# Altium PCB UltraZOhm_CarrierBoard.PcbDoc (part 2 of 12)
Units mm, origin at the board's own origin, x right, y up, seen from the top; angles counter-clockwise.
Board outline 350 x 128 mm, 6 copper layers (Top Layer, L02_GND, L03_Sig, L04_Sig, L05_VCC, Bottom Layer), stack 2.021 mm thick; 851 components, 1243 nets, 4332 pads, 2446 vias.
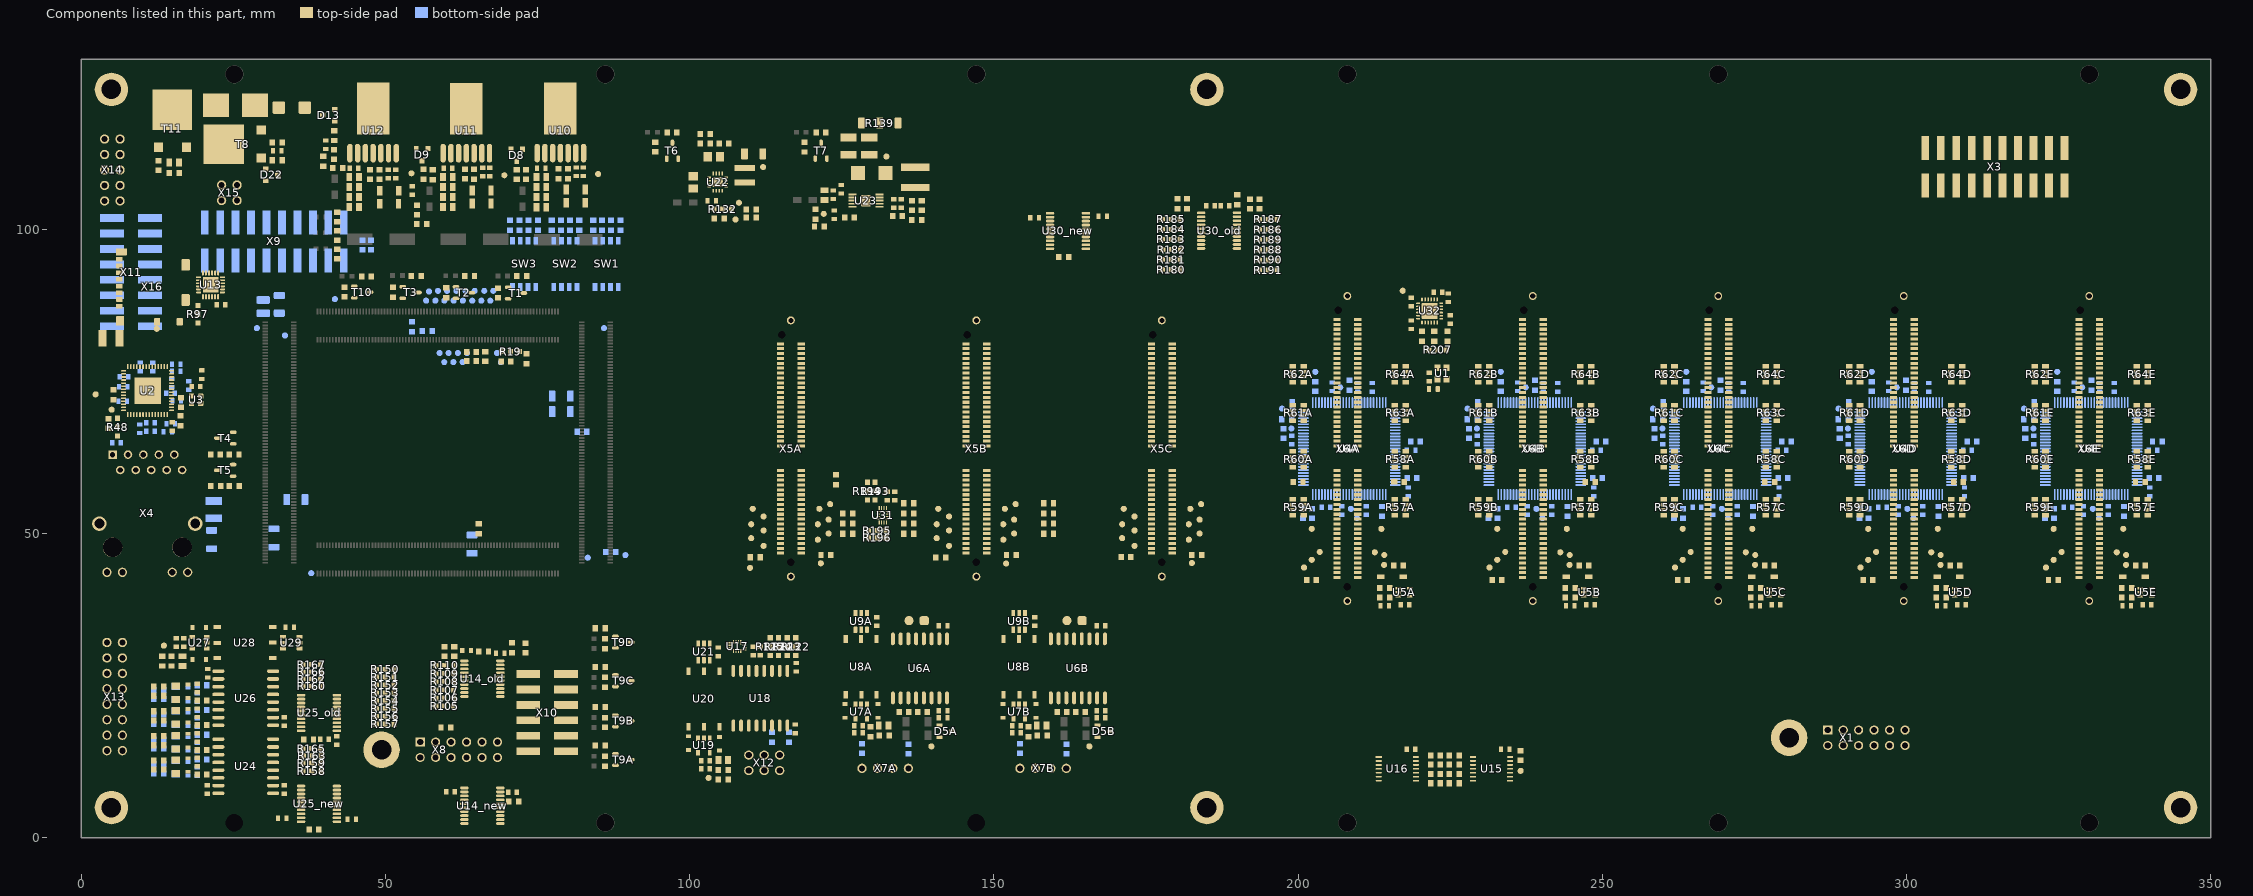
[diagram p6: the components of this part, seen from the top]

## Components (designator, comment, footprint, x,y, rotation, side; value= is the part's Value field where it differs from the comment) (continued)
R69A "51" R_0603_N#1 202.819,74.202 r270 bottom (schematic designator R69)
R69B "51" R_0603_N#1 233.299,74.202 r270 bottom (schematic designator R69)
R69C "51" R_0603_N#1 263.779,74.202 r270 bottom (schematic designator R69)
R69D "51" R_0603_N#1 294.259,74.202 r270 bottom (schematic designator R69)
R69E "51" R_0603_N#1 324.739,74.202 r270 bottom (schematic designator R69)
R70A "51" R_0603_N#1 219.275,65.158 r180 bottom (schematic designator R70)
R70B "51" R_0603_N#1 249.755,65.158 r180 bottom (schematic designator R70)
R70C "51" R_0603_N#1 280.235,65.158 r180 bottom (schematic designator R70)
R70D "51" R_0603_N#1 310.715,65.158 r180 bottom (schematic designator R70)
R70E "51" R_0603_N#1 341.195,65.158 r180 bottom (schematic designator R70)
R71A "33" R_0603_N#1 208.453,74.402 r270 bottom (schematic designator R71)
R71B "33" R_0603_N#1 238.933,74.402 r270 bottom (schematic designator R71)
R71C "33" R_0603_N#1 269.413,74.402 r270 bottom (schematic designator R71)
R71D "33" R_0603_N#1 299.893,74.402 r270 bottom (schematic designator R71)
R71E "33" R_0603_N#1 330.373,74.402 r270 bottom (schematic designator R71)
R72A "51" R_0603_N#1 218.729,59.162 r180 bottom (schematic designator R72)
R72B "51" R_0603_N#1 249.209,59.162 r180 bottom (schematic designator R72)
R72C "51" R_0603_N#1 279.689,59.162 r180 bottom (schematic designator R72)
R72D "51" R_0603_N#1 310.169,59.162 r180 bottom (schematic designator R72)
R72E "51" R_0603_N#1 340.649,59.162 r180 bottom (schematic designator R72)
R73A "51" R_0603_N#1 213.791,53.67 r90 bottom (schematic designator R73)
R73B "51" R_0603_N#1 244.271,53.67 r90 bottom (schematic designator R73)
R73C "51" R_0603_N#1 274.751,53.67 r90 bottom (schematic designator R73)
R73D "51" R_0603_N#1 305.231,53.67 r90 bottom (schematic designator R73)
R73E "51" R_0603_N#1 335.711,53.67 r90 bottom (schematic designator R73)
R74A "0R" R_0603_N#1 214.23,41.056 r0 top (schematic designator R74)
R74B "0R" R_0603_N#1 244.71,41.056 r0 top (schematic designator R74)
R74C "0R" R_0603_N#1 275.19,41.056 r0 top (schematic designator R74)
R74D "0R" R_0603_N#1 305.67,41.056 r0 top (schematic designator R74)
R74E "0R" R_0603_N#1 336.15,41.056 r0 top (schematic designator R74)
R75A "dnp" R_0603_N#1 214.23,39.532 r180 top value=dnf (schematic designator R75)
R75B "dnp" R_0603_N#1 244.71,39.532 r180 top value=dnf (schematic designator R75)
R75C "dnp" R_0603_N#1 275.19,39.532 r180 top value=dnf (schematic designator R75)
R75D "dnp" R_0603_N#1 305.67,39.532 r180 top value=dnf (schematic designator R75)
R75E "dnp" R_0603_N#1 336.15,39.532 r180 top value=dnf (schematic designator R75)
R76A "62" R_0603_N#1 138.286,20.731 r180 top (schematic designator R76)
R76B "62" R_0603_N#1 164.238,20.731 r180 top (schematic designator R76)
R77A "62" R_0603_N#1 135.238,20.731 r180 top (schematic designator R77)
R77B "62" R_0603_N#1 161.19,20.731 r180 top (schematic designator R77)
R78A "dnp" R_0603_N#1 135.975,14.637 r270 bottom value=0R (schematic designator R78)
R78B "dnp" R_0603_N#1 161.927,14.637 r270 bottom value=0R (schematic designator R78)
R79A "dnp" R_0603_N#1 128.355,14.687 r270 bottom value=0R (schematic designator R79)
R79B "dnp" R_0603_N#1 154.307,14.688 r270 bottom value=0R (schematic designator R79)
R80A "29k4" R_0603_N#1 129.707,17.471 r90 top (schematic designator R80)
R80B "29k4" R_0603_N#1 155.659,17.471 r90 top (schematic designator R80)
R81A "9k31" R_0603_N#1 131.99,16.861 r180 top (schematic designator R81)
R81B "9k31" R_0603_N#1 157.942,16.861 r180 top (schematic designator R81)
R82 "4k7" R_0603_N#1 78.459,109.144 r270 top
R83 "1k5" R_0603_N#1 79.988,109.156 r90 top
R84 "dnp" R_0603_N#1 73.133,109.028 r270 top value=100k
R85 "dnp" R_0603_N#1 71.601,109.043 r270 top value=20k
R86 "4k7" R_0603_N#1 63.081,109.095 r270 top
R87 "1k5" R_0603_N#1 64.585,109.081 r90 top
R88 "47k" R_0603_N#1 57.8,109 r270 top
R89 "dnp" R_0603_N#1 56.249,109.069 r270 top value=20k
R90 "10k" R_0603_N#1 47.485,109.013 r270 top
R91 "100" R_0603_N#1 42.105,95.98 r90 top
R92 "1k" R_0603_N#1 42.099,99.006 r90 top
R93 "1k5" R_0603_N#1 42.099,102.054 r90 top
R94 "1k91" R_0603_N#1 49.047,109.025 r90 top
R95 "47k" R_0603_N#1 41.563,112.325 r90 top
R96 "dnp" R_0603_N#1 41.613,115.413 r270 top value=20k
R97 "10k" 0603_CONFIG 19.204,86.09 r90 top
R98 "dnp" R_0603_N#1 59.949,18.177 r180 top value=0R
R99 "0R" R_0603_N#1 46.238,97.46 r90 bottom
R100 "dnp" R_0603_N#1 61.323,30.648 r270 top value=200K
R101 "dnp" R_0603_N#1 59.751,30.648 r270 top value=200K
R102 "dnp" R_0603_N#1 70.825,31.25 r270 top value=200K
R103 "dnp" R_0603_N#1 73.025,31.2 r270 top value=200K
R104 "dnp" R_0603_N#1 66.156,30.619 r180 top value=200k
R105 "dnp" 0603_CONFIG 59.726,21.684 r180 top value=10k
R106 "dnp" 0603_CONFIG 59.726,23.012 r180 top value=10k
R107 "dnp" 0603_CONFIG 59.725,24.3 r180 top value=10k
R108 "dnp" 0603_CONFIG 59.725,25.7 r180 top value=10k
R109 "dnp" 0603_CONFIG 59.726,27.025 r180 top value=10k
R110 "dnp" 0603_CONFIG 59.726,28.366 r180 top value=10k
R111 "10k" R_0603_N#1 225.639,13.567 r0 top
R112 "10k" R_0603_N#1 225.639,12.043 r0 top
R113 "10k" R_0603_N#1 225.639,10.519 r0 top
R114 "10k" R_0603_N#1 225.639,8.995 r0 top
R115 "10k" R_0603_N#1 222.591,8.995 r180 top
R116 "10k" R_0603_N#1 222.591,10.519 r180 top
R117 "10k" R_0603_N#1 222.591,12.043 r180 top
R118 "10k" R_0603_N#1 236.561,13.567 r270 top
R119 "10k" R_0603_N#1 222.591,13.567 r180 top
R120 "dnp" R_0603_N#1 116.33,16.538 r270 bottom value=0R
R121 "dnp" R_0603_N#1 113.536,16.538 r90 bottom value=0R
R122 "10k" 0603_CONFIG 117.448,31.422 r270 top
R123 "10k" 0603_CONFIG 116.051,31.473 r90 top
R124 "10k" 0603_CONFIG 114.628,31.422 r270 top
R125 "10k" 0603_CONFIG 113.257,31.422 r270 top
R126 "16k" R_0603_N#1 105.535,9.629 r0 top
R127 "9k31" R_0603_N#1 105.535,11.153 r180 top
R128 "0R" RESC3216X65N 35.291,55.61 r180 bottom
R129 "0R" RESC3216X65N 31.679,49.291 r270 bottom
R130 "0R" RESC3216X65N 110.516,112.431 r0 top
R131 "0R" RESC3216X65N 78.907,72.605 r0 bottom
R132 "0R" 0603_CONFIG 105.437,103.337 r180 top
R133 "0R" RESC3216X65N 78.907,70.069 r0 bottom
R134 "100k" R_0603_N#1 104.877,101.813 r180 top
R135 "24k9" R_0603_N#1 105.665,114.107 r0 top
R136 "0R" RESC3216X65N 64.245,48.291 r270 bottom
R137 "20k" R_0603_N#1 102.566,114.107 r0 top
R138 "dnp" R_0603_N#1 102.566,115.656 r180 top value=dnf
R139 "0R" 1206_CONFIG 131.245,117.477 r180 top
R140 "20k" R_0603_N#1 137.339,101.534 r180 top
R141 "2k" R_0603_N#1 138.151,103.922 r270 top
R142 "220" R_0603_N#1 97.105,115.936 r0 top
R143 "20k" R_0603_N#1 134.164,102.194 r0 top
R144 "1k6" R_0603_N#1 136.551,103.922 r90 top
R145 "412k" R_0603_N#1 126.29,101.94 r0 top
R146 "10k" R_0603_N#1 94.362,113.548 r270 top
R147 "220" R_0603_N#1 121.591,115.936 r0 top
R148 "10k" R_0603_N#1 118.873,113.523 r270 top
R149 "200K" R_0603_N#1 38.3,1.4 r0 top
R150 "dnp" 0603_Config 50,27.7 r0 top value=10k
R151 "dnp" 0603_Config 50,26.414 r0 top value=10k
R152 "dnp" 0603_Config 50,25.129 r0 top value=10k
R153 "dnp" 0603_Config 50,23.843 r0 top value=10k
R154 "dnp" 0603_Config 50,22.557 r0 top value=10k
R155 "dnp" 0603_Config 50,21.271 r0 top value=10k
R156 "dnp" 0603_Config 50,19.986 r0 top value=10k
R157 "dnp" 0603_Config 50,18.7 r0 top value=10k
R158 "dnp" 0603_Config 37.875,11 r180 top value=10k
R159 "dnp" 0603_Config 37.875,12.3 r180 top value=10k
R160 "dnp" 0603_Config 37.9,24.933 r180 top value=10k
R161 "16k" R_0603_N#1 13.35,29.062 r270 top
R162 "dnp" 0603_Config 37.9,26.1 r180 top value=10k
R163 "dnp" 0603_Config 38,13.5 r0 top value=10k
R164 "9k31" R_0603_N#1 14.874,29.062 r90 top
R165 "dnp" 0603_Config 37.9,14.7 r0 top value=10k
R166 "dnp" 0603_Config 37.9,27.3 r0 top value=10k
R167 "dnp" 0603_Config 37.9,28.5 r0 top value=10k
R168A "0R" R_0603_N#1 12.76,11.226 r0 top (schematic designator R168)
R168B "0R" R_0603_N#1 12.755,15.24 r0 top (schematic designator R168)
R168C "0R" R_0603_N#1 12.755,12.138 r0 bottom (schematic designator R168)
R168D "0R" R_0603_N#1 12.755,16.202 r0 bottom (schematic designator R168)
R168E "0R" R_0603_N#1 12.755,19.304 r0 top (schematic designator R168)
R168F "0R" R_0603_N#1 12.755,23.368 r0 top (schematic designator R168)
R168G "0R" R_0603_N#1 12.755,20.266 r0 bottom (schematic designator R168)
R168H "0R" R_0603_N#1 12.755,24.33 r0 bottom (schematic designator R168)
R169A "62" R_0603_N#1 19.872,10.464 r0 top (schematic designator R169)
R169B "62" R_0603_N#1 19.867,14.478 r0 top (schematic designator R169)
R169C "62" R_0603_N#1 19.867,12.9 r0 bottom (schematic designator R169)
R169D "62" R_0603_N#1 19.867,16.964 r0 bottom (schematic designator R169)
R169E "62" R_0603_N#1 19.867,18.542 r0 top (schematic designator R169)
R169F "62" R_0603_N#1 19.867,22.606 r0 top (schematic designator R169)
R169G "62" R_0603_N#1 19.867,21.028 r0 bottom (schematic designator R169)
R169H "62" R_0603_N#1 19.867,25.092 r0 bottom (schematic designator R169)
R170A "6" 0805_PTC_FUSE 15.554,11.734 r90 top (schematic designator R170)
R170B "6" 0805_PTC_FUSE 15.549,15.748 r90 top (schematic designator R170)
R170C "6" 0805_PTC_FUSE 15.549,11.63 r270 bottom (schematic designator R170)
R170D "6" 0805_PTC_FUSE 15.549,15.694 r270 bottom (schematic designator R170)
R170E "6" 0805_PTC_FUSE 15.549,19.812 r90 top (schematic designator R170)
R170F "6" 0805_PTC_FUSE 15.549,23.876 r90 top (schematic designator R170)
R170G "6" 0805_PTC_FUSE 15.549,19.758 r270 bottom (schematic designator R170)
R170H "6" 0805_PTC_FUSE 15.549,23.822 r270 bottom (schematic designator R170)
R171A "10k" R_0603_N#1 12.76,12.75 r180 top (schematic designator R171)
R171B "10k" R_0603_N#1 12.755,16.764 r180 top (schematic designator R171)
R171C "10k" R_0603_N#1 12.755,10.614 r180 bottom (schematic designator R171)
R171D "10k" R_0603_N#1 12.755,14.678 r180 bottom (schematic designator R171)
R171E "10k" R_0603_N#1 12.755,20.828 r180 top (schematic designator R171)
R171F "10k" R_0603_N#1 12.755,24.892 r180 top (schematic designator R171)
R171G "10k" R_0603_N#1 12.755,18.742 r180 bottom (schematic designator R171)
R171H "10k" R_0603_N#1 12.755,22.806 r180 bottom (schematic designator R171)
R172 "47k" R_0603_N#1 32.258,114.3 r0 top
R173 "47k" R_0603_N#1 32.236,111.369 r180 top
R174A "51" R_0603_N#1 85.305,15.165 r0 top (schematic designator R174)
R174B "51" R_0603_N#1 85.305,21.515 r0 top (schematic designator R174)
R174C "51" R_0603_N#1 85.305,28.119 r0 top (schematic designator R174)
R174D "51" R_0603_N#1 85.305,34.469 r0 top (schematic designator R174)
R175A "10k" R_0603_N#1 86.067,12.625 r90 top (schematic designator R175)
R175B "10k" R_0603_N#1 86.067,18.975 r90 top (schematic designator R175)
R175C "10k" R_0603_N#1 86.067,25.579 r90 top (schematic designator R175)
R175D "10k" R_0603_N#1 86.067,31.929 r90 top (schematic designator R175)
R176 "dnp" R_0603_N#1 181.723,104.222 r270 top value=4k99
R177 "dnp" R_0603_N#1 180.199,104.222 r270 top value=4k99
R178 "dnp" R_0603_N#1 192.112,104.172 r270 top value=220
R179 "dnp" R_0603_N#1 193.636,104.172 r270 top value=220
R180 "dnp" 0603_CONFIG 179.086,93.396 r180 top value=10k
R181 "10k" 0603_CONFIG 179.086,95.047 r180 top
R182 "dnp" 0603_CONFIG 179.175,96.7 r180 top value=10k
R183 "dnp" 0603_CONFIG 179.086,98.349 r180 top value=10k
R184 "dnp" 0603_CONFIG 179.086,100 r180 top value=10k
R185 "dnp" 0603_CONFIG 179.086,101.651 r180 top value=10k
R186 "dnp" 0603_CONFIG 195.086,99.986 r0 top value=10k
R187 "dnp" 0603_CONFIG 195.086,101.651 r0 top value=10k
R188 "dnp" 0603_CONFIG 195.086,96.657 r0 top value=10k
R189 "dnp" 0603_CONFIG 195.086,98.322 r0 top value=10k
R190 "dnp" 0603_CONFIG 195.086,94.992 r0 top value=10k
R191 "dnp" 0603_CONFIG 195.086,93.328 r0 top value=10k
R192 "200k" R_0603_N#1 190.001,104.861 r90 top
R193 "10k" 0603_CONFIG 130.48,57.023 r90 top
R194 "10k" 0603_CONFIG 129.21,57.023 r90 top
R195 "10k" 0603_CONFIG 130.876,50.521 r0 top
R196 "10k" 0603_CONFIG 130.876,49.341 r0 top
R197 "100" R_0603_N#1 46.9,92.299 r180 top
R198 "10k" R_0603_N#1 43.299,89.7 r90 top
R199 "10k" R_0603_N#1 54.399,84 r270 bottom
R200 "dnp" R_0603_N#1 120.699,102.5 r90 top value=10k
R201 "10k" R_0603_N#1 47.632,97.451 r90 bottom
R202 "dnp" R_0603_N#1 73.182,78.749 r270 top value=10k
R203 "10k" R_0603_N#1 121.326,100.457 r0 top
R204 "10k" R_0603_N#1 110.124,101.994 r180 top
R205 "dnp" R_0603_N#1 110.124,103.268 r180 top value=10k
R206 "0R" R_0603_N#1 220.346,82.451 r90 top
R207 "0R" 0603_CONFIG 222.926,80.205 r0 top
R208 "dnp" R_0603_N#1 222.37,82.451 r90 top value=0R
R209 "0R" R_0603_N#1 224.519,82.451 r90 top
R210 "0R" R_0603_N#1 4.499,68.1 r90 top
R211 "200K" R_0603_N#1 161.5,95.5 r0 top
R212 "0" R_0603_N#1 200,58.5 r0 top
R213 "0" R_0603_N#2 216.6,58.5 r0 top
R214 "0" R_0603_N#1 248,58.5 r0 top
R215 "0" R_0603_N#1 277.5,58.5 r0 top
R216 "0" R_0603_N#1 308.5,58.5 r0 top
R217 "0" R_0603_N#1 338.4,58.5 r0 top
R218 "200k" R_0603_N#1 37.4,16.2 r180 top
R219 "47k" R_0603_N#1 15.3,109.3 r0 top
R220 "47k" R_0603_N#1 12.7,110.5 r90 top
R221 "dnp" R_0603_N#1 55.2,103.2 r270 top value=0
R222 "0" R_0603_N#1 56,100.9 r0 top
R223 "dnp" R_0603_N#1 42.2,110.1 r0 top value=0
R224 "0" R_0603_N#1 39.8,111.2 r270 top
R225 "200K" R_0603_N#1 71.1,6 r0 top
Serial1 "Serialnumber 6,3 x 6.3mm" SERIAL_6.3X6.3MM 343.003,15.503 r90 top
SW1 "DIP Switch" 416131160804 86.366,94.346 r180 bottom
SW2 "DIP Switch" 416131160804 79.596,94.346 r180 bottom locked
SW3 "DIP Switch" 416131160804 72.806,94.335 r180 bottom locked
T1 "MMBT3904" SOT95P280X145-3N 71.475,89.55 r0 top
T2 "MMBT3904" SOT95P280X145-3N 62.906,89.614 r0 top
T3 "MMBT3904" SOT95P280X145-3N 54.156,89.642 r0 top
T4 "MMBT3904" SOT95P280X145-3N 23.71,65.711 r180 top
T5 "MMBT3904" SOT95P280X145-3N 23.686,60.411 r180 top
T6 "MMBT3904" SOT95P280X145-3N 97.181,112.913 r90 top
T7 "MMBT3904" SOT95P280X145-3N 121.616,112.939 r90 top
T8 "ATP108-TL-H" ONSC-ATPAK 23.466,114.012 r180 top
T9A "MMBT3904" SOT95P280X145-3N 89.115,12.879 r0 top (schematic designator T9)
T9B "MMBT3904" SOT95P280X145-3N 89.115,19.229 r0 top (schematic designator T9)
T9C "MMBT3904" SOT95P280X145-3N 89.115,25.833 r0 top (schematic designator T9)
T9D "MMBT3904" SOT95P280X145-3N 89.115,32.183 r0 top (schematic designator T9)
T10 "MMBT3904" SOT95P280X145-3N 46.199,89.7 r0 top
T11 "ATP108-TL-H" ONSC-ATPAK 15,119.65 r90 top
TP1 "Testpoint 1mm" TP_1MM 56.704,88.298 r180 bottom
TP2 "Testpoint 1mm" TP_1MM 57.17,89.798 r90 bottom
TP3 "Testpoint 1mm" TP_1MM 58.228,88.298 r90 bottom
TP4 "Testpoint 1mm" TP_1MM 58.652,89.898 r90 bottom
TP5 "Testpoint 1mm" TP_1MM 59.71,88.298 r90 bottom
TP6 "Testpoint 1mm" TP_1MM 60.168,89.898 r90 bottom
TP7 "Testpoint 1mm" TP_1MM 61.226,88.298 r90 bottom
TP8 "Testpoint 1mm" TP_1MM 61.684,89.898 r90 bottom
TP9 "Testpoint 1mm" TP_1MM 62.742,88.298 r90 bottom
TP10 "Testpoint 1mm" TP_1MM 63.2,89.898 r90 bottom
TP11 "Testpoint 1mm" TP_1MM 64.288,88.298 r90 bottom
TP12 "Testpoint 1mm" TP_1MM 64.684,89.898 r90 bottom
TP13 "Testpoint 1mm" TP_1MM 65.772,88.298 r90 bottom
TP14 "Testpoint 1mm" TP_1MM 66.26,89.898 r90 bottom
TP15 "Testpoint 1mm" TP_1MM 67.248,88.298 r90 bottom
TP16 "Testpoint 1mm" TP_1MM 67.736,89.898 r90 bottom
TP17 "Testpoint 1mm" TP_1MM 58.926,79.698 r90 bottom
TP18 "Testpoint 1mm" TP_1MM 59.686,78.202 r270 bottom
TP19 "Testpoint 1mm" TP_1MM 60.402,79.698 r90 bottom
TP20 "Testpoint 1mm" TP_1MM 61.19,78.198 r90 bottom
TP21 "Testpoint 1mm" TP_1MM 61.924,79.698 r90 bottom
TP22 "Testpoint 1mm" TP_1MM 62.7,78.198 r90 bottom
TP23 "Testpoint 1mm" TP_1MM 63.434,79.698 r90 bottom
TP24 "Testpoint 1mm" TP_1MM 68.346,79.698 r90 bottom
TP25 "Testpoint 1mm" TP_1MM 68.98,78.198 r90 bottom
TP26 "Testpoint 1mm" TP_1MM 28.894,83.783 r90 bottom
TP27 "Testpoint 1mm" TP_1MM 33.511,82.578 r90 bottom
TP28 "Testpoint 1mm" TP_1MM 41.715,88.547 r90 bottom
TP29 "Testpoint 1mm" TP_1MM 83.267,46.055 r90 bottom
TP30 "Testpoint 1mm" TP_1MM 85.931,83.781 r90 bottom
TP31 "Testpoint 1mm" TP_1MM 37.829,43.513 r90 bottom
TP32 "Testpoint 1mm" TP_1MM 89.442,46.484 r90 bottom
TP33 "Testpoint 1mm" TP_1MM 109.939,44.39 r90 top
TP34 "Testpoint 1mm" TP_1MM 214.123,44.871 r90 top
TP35 "Testpoint 1mm" TP_1MM 244.603,44.871 r90 top
TP36 "Testpoint 1mm" TP_1MM 275.083,44.871 r90 top
TP37 "Testpoint 1mm" TP_1MM 305.563,44.871 r90 top
TP38 "Testpoint 1mm" TP_1MM 336.043,44.871 r90 top
TP39 "Testpoint 1mm" TP_1MM 121.567,45.141 r90 top
TP40 "Testpoint 1mm" TP_1MM 152.025,45.1 r90 top
TP41 "Testpoint 1mm" TP_1MM 182.527,45.175 r90 top
TP42 "Testpoint 1mm" TP_1MM 5.036,70.377 r270 top
TP43 "Testpoint 1mm" TP_1MM 2.401,72.895 r270 top
TP45A "Testpoint 1mm" TP_1MM 123.106,54.856 r270 top (schematic designator TP45)
TP45B "Testpoint 1mm" TP_1MM 153.586,54.856 r270 top (schematic designator TP45)
TP45C "Testpoint 1mm" TP_1MM 184.066,54.856 r270 top (schematic designator TP45)
TP46A "Testpoint 1mm" TP_1MM 110.382,54.094 r270 top (schematic designator TP46)
TP46B "Testpoint 1mm" TP_1MM 140.862,54.094 r270 top (schematic designator TP46)
TP46C "Testpoint 1mm" TP_1MM 171.342,54.094 r270 top (schematic designator TP46)
TP47A "Testpoint 1mm" TP_1MM 121.328,54.094 r270 top (schematic designator TP47)
TP47B "Testpoint 1mm" TP_1MM 151.808,54.094 r270 top (schematic designator TP47)
TP47C "Testpoint 1mm" TP_1MM 182.288,54.094 r270 top (schematic designator TP47)
TP48A "Testpoint 1mm" TP_1MM 112.16,52.824 r270 top (schematic designator TP48)
TP48B "Testpoint 1mm" TP_1MM 142.64,52.824 r270 top (schematic designator TP48)
TP48C "Testpoint 1mm" TP_1MM 173.12,52.824 r270 top (schematic designator TP48)
TP49A "Testpoint 1mm" TP_1MM 122.852,52.316 r270 top (schematic designator TP49)
TP49B "Testpoint 1mm" TP_1MM 153.332,52.316 r270 top (schematic designator TP49)
TP49C "Testpoint 1mm" TP_1MM 183.812,52.316 r270 top (schematic designator TP49)
TP50A "Testpoint 1mm" TP_1MM 110.128,51.554 r270 top (schematic designator TP50)
TP50B "Testpoint 1mm" TP_1MM 140.608,51.554 r270 top (schematic designator TP50)
TP50C "Testpoint 1mm" TP_1MM 171.088,51.554 r270 top (schematic designator TP50)
TP51A "Testpoint 1mm" TP_1MM 121.074,51.554 r270 top (schematic designator TP51)
TP51B "Testpoint 1mm" TP_1MM 151.554,51.554 r270 top (schematic designator TP51)
TP51C "Testpoint 1mm" TP_1MM 182.034,51.554 r270 top (schematic designator TP51)
TP52A "Testpoint 1mm" TP_1MM 112.16,50.538 r270 top (schematic designator TP52)
TP52B "Testpoint 1mm" TP_1MM 142.64,50.538 r270 top (schematic designator TP52)
TP52C "Testpoint 1mm" TP_1MM 173.12,50.538 r270 top (schematic designator TP52)
TP53A "Testpoint 1mm" TP_1MM 122.852,50.03 r270 top (schematic designator TP53)
TP53B "Testpoint 1mm" TP_1MM 153.332,50.03 r270 top (schematic designator TP53)
TP53C "Testpoint 1mm" TP_1MM 183.812,50.03 r270 top (schematic designator TP53)
TP54A "Testpoint 1mm" TP_1MM 110.128,49.268 r270 top (schematic designator TP54)
TP54B "Testpoint 1mm" TP_1MM 140.608,49.268 r270 top (schematic designator TP54)
TP54C "Testpoint 1mm" TP_1MM 171.088,49.268 r270 top (schematic designator TP54)
TP55A "Testpoint 1mm" TP_1MM 121.074,49.014 r270 top (schematic designator TP55)
TP55B "Testpoint 1mm" TP_1MM 151.554,49.014 r270 top (schematic designator TP55)
TP55C "Testpoint 1mm" TP_1MM 182.034,49.014 r270 top (schematic designator TP55)
TP56A "Testpoint 1mm" TP_1MM 112.16,47.998 r270 top (schematic designator TP56)
TP56B "Testpoint 1mm" TP_1MM 142.64,47.998 r270 top (schematic designator TP56)
TP56C "Testpoint 1mm" TP_1MM 173.12,47.998 r270 top (schematic designator TP56)
TP57A "Testpoint 1mm" TP_1MM 202.238,50.792 r90 top (schematic designator TP57)
TP57B "Testpoint 1mm" TP_1MM 232.718,50.792 r90 top (schematic designator TP57)
TP57C "Testpoint 1mm" TP_1MM 263.198,50.792 r90 top (schematic designator TP57)
TP57D "Testpoint 1mm" TP_1MM 293.678,50.792 r90 top (schematic designator TP57)
TP57E "Testpoint 1mm" TP_1MM 324.158,50.792 r90 top (schematic designator TP57)
TP58A "Testpoint 1mm" TP_1MM 213.668,50.792 r90 top (schematic designator TP58)
TP58B "Testpoint 1mm" TP_1MM 244.148,50.792 r90 top (schematic designator TP58)
TP58C "Testpoint 1mm" TP_1MM 274.628,50.792 r90 top (schematic designator TP58)
TP58D "Testpoint 1mm" TP_1MM 305.108,50.792 r90 top (schematic designator TP58)
TP58E "Testpoint 1mm" TP_1MM 335.588,50.792 r90 top (schematic designator TP58)
TP59A "Testpoint 1mm" TP_1MM 198.895,67.292 r270 bottom (schematic designator TP59)
TP59B "Testpoint 1mm" TP_1MM 229.375,67.292 r270 bottom (schematic designator TP59)
TP59C "Testpoint 1mm" TP_1MM 259.855,67.292 r270 bottom (schematic designator TP59)
TP59D "Testpoint 1mm" TP_1MM 290.335,67.292 r270 bottom (schematic designator TP59)
TP59E "Testpoint 1mm" TP_1MM 320.815,67.292 r270 bottom (schematic designator TP59)
TP60A "Testpoint 1mm" TP_1MM 197.345,70.544 r270 bottom (schematic designator TP60)
TP60B "Testpoint 1mm" TP_1MM 227.825,70.544 r270 bottom (schematic designator TP60)
TP60C "Testpoint 1mm" TP_1MM 258.305,70.544 r270 bottom (schematic designator TP60)
TP60D "Testpoint 1mm" TP_1MM 288.785,70.544 r270 bottom (schematic designator TP60)
TP60E "Testpoint 1mm" TP_1MM 319.265,70.544 r270 bottom (schematic designator TP60)
TP61A "Testpoint 1mm" TP_1MM 202.819,76.596 r270 bottom (schematic designator TP61)
TP61B "Testpoint 1mm" TP_1MM 233.299,76.596 r270 bottom (schematic designator TP61)
TP61C "Testpoint 1mm" TP_1MM 263.779,76.596 r270 bottom (schematic designator TP61)
TP61D "Testpoint 1mm" TP_1MM 294.259,76.596 r270 bottom (schematic designator TP61)
TP61E "Testpoint 1mm" TP_1MM 324.739,76.596 r270 bottom (schematic designator TP61)
TP62A "Testpoint 1mm" TP_1MM 206.925,74.042 r270 bottom (schematic designator TP62)
TP62B "Testpoint 1mm" TP_1MM 237.405,74.042 r270 bottom (schematic designator TP62)
TP62C "Testpoint 1mm" TP_1MM 267.885,74.042 r270 bottom (schematic designator TP62)
TP62D "Testpoint 1mm" TP_1MM 298.365,74.042 r270 bottom (schematic designator TP62)
TP62E "Testpoint 1mm" TP_1MM 328.845,74.042 r270 bottom (schematic designator TP62)
TP63A "Testpoint 1mm" TP_1MM 209.677,52.558 r270 bottom (schematic designator TP63)